# KiCad board protoboard-6x4-breakout.kicad_pcb (continued)
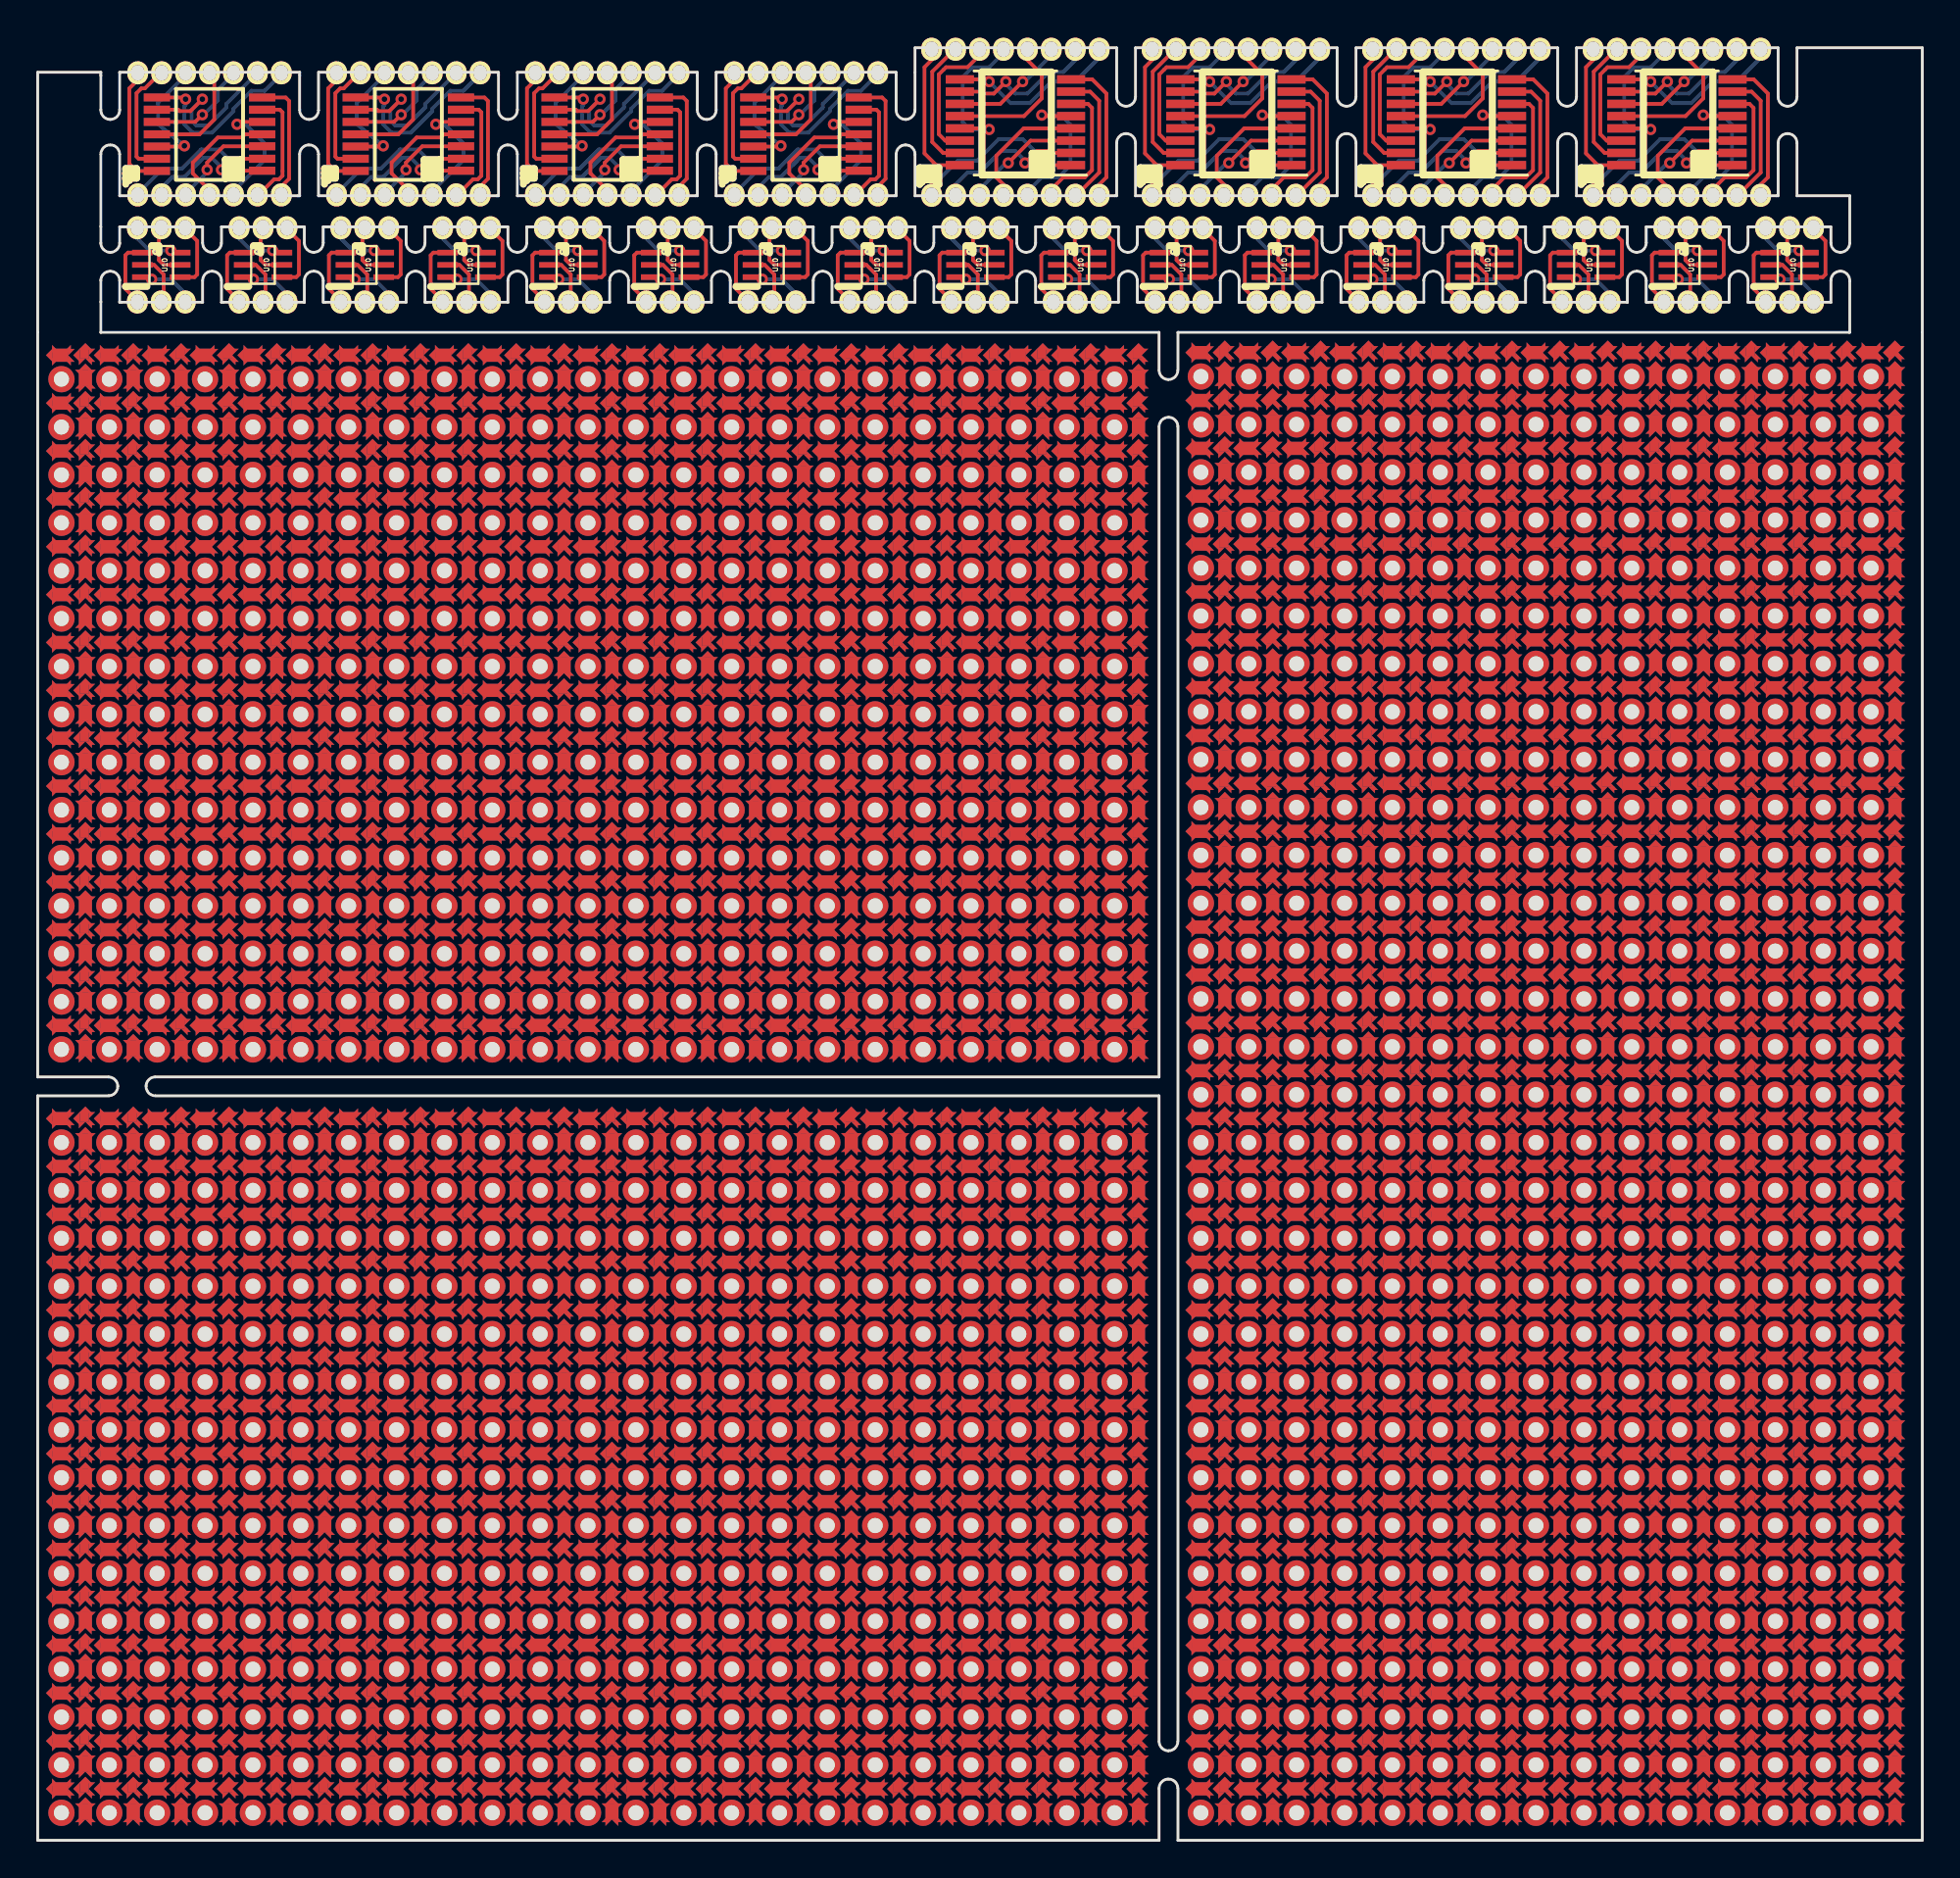
[diagram p0: board, top side]
## Placement (name value [footprint] x y rotation side) (continued)
REF**#4154  center-pad  [center-pad-spikes]  93.47 53.53 0 top
REF**#4155  pad-between  [pad-between-spiked]  93.47 52.26 0 top
REF**#4156  pad-between  [pad-between-spiked]  93.47 54.8 0 top
REF**#4157  pad-between  [pad-between-spiked]  94.74 53.53 90 top
REF**#4158  pad-between  [pad-between-spiked]  92.2 53.53 90 top
REF**#4159  -  [tht-0.8]  97.28 54.8 0 top
REF**#4160  -  [tht-0.8]  94.74 54.8 0 top
REF**#4161  -  [tht-0.8]  92.2 54.8 0 top
REF**#4162  -  [tht-0.8]  92.2 52.26 0 top
REF**#4163  -  [tht-0.8]  94.74 52.26 0 top
REF**#4164  -  [tht-0.8]  97.28 52.26 0 top
REF**#4165  -  [tht-0.8]  66.8 52.26 0 top
REF**#4166  -  [tht-0.8]  64.26 52.26 0 top
REF**#4167  -  [tht-0.8]  61.72 52.26 0 top
REF**#4168  -  [tht-0.8]  61.72 54.8 0 top
REF**#4169  -  [tht-0.8]  64.26 54.8 0 top
REF**#4170  -  [tht-0.8]  66.8 54.8 0 top
REF**#4171  pad-between  [pad-between-spiked]  61.72 53.53 90 top
REF**#4172  pad-between  [pad-between-spiked]  64.26 53.53 90 top
REF**#4173  pad-between  [pad-between-spiked]  62.99 54.8 0 top
REF**#4174  pad-between  [pad-between-spiked]  62.99 52.26 0 top
REF**#4175  center-pad  [center-pad-spikes]  62.99 53.53 0 top
REF**#4176  center-pad  [center-pad-spikes]  65.53 53.53 0 top
REF**#4177  pad-between  [pad-between-spiked]  65.53 52.26 0 top
REF**#4178  pad-between  [pad-between-spiked]  65.53 54.8 0 top
REF**#4179  pad-between  [pad-between-spiked]  66.8 53.53 90 top
REF**#4180  pad-between  [pad-between-spiked]  68.07 54.8 0 top
REF**#4181  pad-between  [pad-between-spiked]  68.07 52.26 0 top
REF**#4182  center-pad  [center-pad-spikes]  68.07 53.53 0 top
REF**#4183  center-pad  [center-pad-spikes]  68.07 56.07 0 top
REF**#4184  pad-between  [pad-between-spiked]  66.8 56.07 90 top
REF**#4185  center-pad  [center-pad-spikes]  65.53 56.07 0 top
REF**#4186  center-pad  [center-pad-spikes]  62.99 56.07 0 top
REF**#4187  pad-between  [pad-between-spiked]  64.26 56.07 90 top
REF**#4188  pad-between  [pad-between-spiked]  61.72 56.07 90 top
REF**#4189  pad-between  [pad-between-spiked]  69.34 56.07 90 top
REF**#4190  pad-between  [pad-between-spiked]  71.88 56.07 90 top
REF**#4191  center-pad  [center-pad-spikes]  70.61 56.07 0 top
REF**#4192  center-pad  [center-pad-spikes]  73.15 56.07 0 top
REF**#4193  pad-between  [pad-between-spiked]  74.42 56.07 90 top
REF**#4194  center-pad  [center-pad-spikes]  75.69 56.07 0 top
REF**#4195  center-pad  [center-pad-spikes]  75.69 53.53 0 top
REF**#4196  pad-between  [pad-between-spiked]  75.69 52.26 0 top
REF**#4197  pad-between  [pad-between-spiked]  75.69 54.8 0 top
REF**#4198  pad-between  [pad-between-spiked]  74.42 53.53 90 top
REF**#4199  pad-between  [pad-between-spiked]  73.15 54.8 0 top
REF**#4200  pad-between  [pad-between-spiked]  73.15 52.26 0 top
REF**#4201  center-pad  [center-pad-spikes]  73.15 53.53 0 top
REF**#4202  center-pad  [center-pad-spikes]  70.61 53.53 0 top
REF**#4203  pad-between  [pad-between-spiked]  70.61 52.26 0 top
REF**#4204  pad-between  [pad-between-spiked]  70.61 54.8 0 top
REF**#4205  pad-between  [pad-between-spiked]  71.88 53.53 90 top
REF**#4206  pad-between  [pad-between-spiked]  69.34 53.53 90 top
REF**#4207  -  [tht-0.8]  74.42 54.8 0 top
REF**#4208  -  [tht-0.8]  71.88 54.8 0 top
REF**#4209  -  [tht-0.8]  69.34 54.8 0 top
REF**#4210  -  [tht-0.8]  69.34 52.26 0 top
REF**#4211  -  [tht-0.8]  71.88 52.26 0 top
REF**#4212  -  [tht-0.8]  74.42 52.26 0 top
REF**#4213  -  [tht-0.8]  82.04 52.26 0 top
REF**#4214  -  [tht-0.8]  79.5 52.26 0 top
REF**#4215  -  [tht-0.8]  76.96 52.26 0 top
REF**#4216  -  [tht-0.8]  76.96 54.8 0 top
REF**#4217  -  [tht-0.8]  79.5 54.8 0 top
REF**#4218  -  [tht-0.8]  82.04 54.8 0 top
REF**#4219  pad-between  [pad-between-spiked]  76.96 53.53 90 top
REF**#4220  pad-between  [pad-between-spiked]  79.5 53.53 90 top
REF**#4221  pad-between  [pad-between-spiked]  78.23 54.8 0 top
REF**#4222  pad-between  [pad-between-spiked]  78.23 52.26 0 top
REF**#4223  center-pad  [center-pad-spikes]  78.23 53.53 0 top
REF**#4224  center-pad  [center-pad-spikes]  80.77 53.53 0 top
REF**#4225  pad-between  [pad-between-spiked]  80.77 52.26 0 top
REF**#4226  pad-between  [pad-between-spiked]  80.77 54.8 0 top
REF**#4227  pad-between  [pad-between-spiked]  82.04 53.53 90 top
REF**#4228  pad-between  [pad-between-spiked]  83.31 54.8 0 top
REF**#4229  pad-between  [pad-between-spiked]  83.31 52.26 0 top
REF**#4230  center-pad  [center-pad-spikes]  83.31 53.53 0 top
REF**#4231  center-pad  [center-pad-spikes]  83.31 56.07 0 top
REF**#4232  pad-between  [pad-between-spiked]  82.04 56.07 90 top
REF**#4233  center-pad  [center-pad-spikes]  80.77 56.07 0 top
REF**#4234  center-pad  [center-pad-spikes]  78.23 56.07 0 top
REF**#4235  pad-between  [pad-between-spiked]  79.5 56.07 90 top
REF**#4236  pad-between  [pad-between-spiked]  76.96 56.07 90 top
REF**#4237  pad-between  [pad-between-spiked]  84.58 56.07 90 top
REF**#4238  pad-between  [pad-between-spiked]  87.12 56.07 90 top
REF**#4239  center-pad  [center-pad-spikes]  85.85 56.07 0 top
REF**#4240  center-pad  [center-pad-spikes]  88.39 56.07 0 top
REF**#4241  pad-between  [pad-between-spiked]  89.66 56.07 90 top
REF**#4242  center-pad  [center-pad-spikes]  90.93 56.07 0 top
REF**#4243  center-pad  [center-pad-spikes]  90.93 53.53 0 top
REF**#4244  pad-between  [pad-between-spiked]  90.93 52.26 0 top
REF**#4245  pad-between  [pad-between-spiked]  90.93 54.8 0 top
REF**#4246  pad-between  [pad-between-spiked]  89.66 53.53 90 top
REF**#4247  pad-between  [pad-between-spiked]  88.39 54.8 0 top
REF**#4248  pad-between  [pad-between-spiked]  88.39 52.26 0 top
REF**#4249  center-pad  [center-pad-spikes]  88.39 53.53 0 top
REF**#4250  center-pad  [center-pad-spikes]  85.85 53.53 0 top
REF**#4251  pad-between  [pad-between-spiked]  85.85 52.26 0 top
REF**#4252  pad-between  [pad-between-spiked]  85.85 54.8 0 top
REF**#4253  pad-between  [pad-between-spiked]  87.12 53.53 90 top
REF**#4254  pad-between  [pad-between-spiked]  84.58 53.53 90 top
REF**#4255  -  [tht-0.8]  89.66 54.8 0 top
REF**#4256  -  [tht-0.8]  87.12 54.8 0 top
REF**#4257  -  [tht-0.8]  84.58 54.8 0 top
REF**#4258  -  [tht-0.8]  84.58 52.26 0 top
REF**#4259  -  [tht-0.8]  87.12 52.26 0 top
REF**#4260  -  [tht-0.8]  89.66 52.26 0 top
REF**#4261  -  [tht-0.8]  89.66 57.34 0 top
REF**#4262  -  [tht-0.8]  87.12 57.34 0 top
REF**#4263  -  [tht-0.8]  84.58 57.34 0 top
REF**#4264  -  [tht-0.8]  84.58 59.88 0 top
REF**#4265  -  [tht-0.8]  87.12 59.88 0 top
REF**#4266  -  [tht-0.8]  89.66 59.88 0 top
REF**#4267  pad-between  [pad-between-spiked]  84.58 58.61 90 top
REF**#4268  pad-between  [pad-between-spiked]  87.12 58.61 90 top
REF**#4269  pad-between  [pad-between-spiked]  85.85 59.88 0 top
REF**#4270  pad-between  [pad-between-spiked]  85.85 57.34 0 top
REF**#4271  center-pad  [center-pad-spikes]  85.85 58.61 0 top
REF**#4272  center-pad  [center-pad-spikes]  88.39 58.61 0 top
REF**#4273  pad-between  [pad-between-spiked]  88.39 57.34 0 top
REF**#4274  pad-between  [pad-between-spiked]  88.39 59.88 0 top
REF**#4275  pad-between  [pad-between-spiked]  89.66 58.61 90 top
REF**#4276  pad-between  [pad-between-spiked]  90.93 59.88 0 top
REF**#4277  pad-between  [pad-between-spiked]  90.93 57.34 0 top
REF**#4278  center-pad  [center-pad-spikes]  90.93 58.61 0 top
REF**#4279  center-pad  [center-pad-spikes]  90.93 61.15 0 top
REF**#4280  pad-between  [pad-between-spiked]  89.66 61.15 90 top
REF**#4281  center-pad  [center-pad-spikes]  88.39 61.15 0 top
REF**#4282  center-pad  [center-pad-spikes]  85.85 61.15 0 top
REF**#4283  pad-between  [pad-between-spiked]  87.12 61.15 90 top
REF**#4284  pad-between  [pad-between-spiked]  84.58 61.15 90 top
REF**#4285  pad-between  [pad-between-spiked]  76.96 61.15 90 top
REF**#4286  pad-between  [pad-between-spiked]  79.5 61.15 90 top
REF**#4287  center-pad  [center-pad-spikes]  78.23 61.15 0 top
REF**#4288  center-pad  [center-pad-spikes]  80.77 61.15 0 top
REF**#4289  pad-between  [pad-between-spiked]  82.04 61.15 90 top
REF**#4290  center-pad  [center-pad-spikes]  83.31 61.15 0 top
REF**#4291  center-pad  [center-pad-spikes]  83.31 58.61 0 top
REF**#4292  pad-between  [pad-between-spiked]  83.31 57.34 0 top
REF**#4293  pad-between  [pad-between-spiked]  83.31 59.88 0 top
REF**#4294  pad-between  [pad-between-spiked]  82.04 58.61 90 top
REF**#4295  pad-between  [pad-between-spiked]  80.77 59.88 0 top
REF**#4296  pad-between  [pad-between-spiked]  80.77 57.34 0 top
REF**#4297  center-pad  [center-pad-spikes]  80.77 58.61 0 top
REF**#4298  center-pad  [center-pad-spikes]  78.23 58.61 0 top
REF**#4299  pad-between  [pad-between-spiked]  78.23 57.34 0 top
REF**#4300  pad-between  [pad-between-spiked]  78.23 59.88 0 top
REF**#4301  pad-between  [pad-between-spiked]  79.5 58.61 90 top
REF**#4302  pad-between  [pad-between-spiked]  76.96 58.61 90 top
REF**#4303  -  [tht-0.8]  82.04 59.88 0 top
REF**#4304  -  [tht-0.8]  79.5 59.88 0 top
REF**#4305  -  [tht-0.8]  76.96 59.88 0 top
REF**#4306  -  [tht-0.8]  76.96 57.34 0 top
REF**#4307  -  [tht-0.8]  79.5 57.34 0 top
REF**#4308  -  [tht-0.8]  82.04 57.34 0 top
REF**#4309  -  [tht-0.8]  74.42 57.34 0 top
REF**#4310  -  [tht-0.8]  71.88 57.34 0 top
REF**#4311  -  [tht-0.8]  69.34 57.34 0 top
REF**#4312  -  [tht-0.8]  69.34 59.88 0 top
REF**#4313  -  [tht-0.8]  71.88 59.88 0 top
REF**#4314  -  [tht-0.8]  74.42 59.88 0 top
REF**#4315  pad-between  [pad-between-spiked]  69.34 58.61 90 top
REF**#4316  pad-between  [pad-between-spiked]  71.88 58.61 90 top
REF**#4317  pad-between  [pad-between-spiked]  70.61 59.88 0 top
REF**#4318  pad-between  [pad-between-spiked]  70.61 57.34 0 top
REF**#4319  center-pad  [center-pad-spikes]  70.61 58.61 0 top
REF**#4320  center-pad  [center-pad-spikes]  73.15 58.61 0 top
REF**#4321  pad-between  [pad-between-spiked]  73.15 57.34 0 top
REF**#4322  pad-between  [pad-between-spiked]  73.15 59.88 0 top
REF**#4323  pad-between  [pad-between-spiked]  74.42 58.61 90 top
REF**#4324  pad-between  [pad-between-spiked]  75.69 59.88 0 top
REF**#4325  pad-between  [pad-between-spiked]  75.69 57.34 0 top
REF**#4326  center-pad  [center-pad-spikes]  75.69 58.61 0 top
REF**#4327  center-pad  [center-pad-spikes]  75.69 61.15 0 top
REF**#4328  pad-between  [pad-between-spiked]  74.42 61.15 90 top
REF**#4329  center-pad  [center-pad-spikes]  73.15 61.15 0 top
REF**#4330  center-pad  [center-pad-spikes]  70.61 61.15 0 top
REF**#4331  pad-between  [pad-between-spiked]  71.88 61.15 90 top
REF**#4332  pad-between  [pad-between-spiked]  69.34 61.15 90 top
REF**#4333  pad-between  [pad-between-spiked]  61.72 61.15 90 top
REF**#4334  pad-between  [pad-between-spiked]  64.26 61.15 90 top
REF**#4335  center-pad  [center-pad-spikes]  62.99 61.15 0 top
REF**#4336  center-pad  [center-pad-spikes]  65.53 61.15 0 top
REF**#4337  pad-between  [pad-between-spiked]  66.8 61.15 90 top
REF**#4338  center-pad  [center-pad-spikes]  68.07 61.15 0 top
REF**#4339  center-pad  [center-pad-spikes]  68.07 58.61 0 top
REF**#4340  pad-between  [pad-between-spiked]  68.07 57.34 0 top
REF**#4341  pad-between  [pad-between-spiked]  68.07 59.88 0 top
REF**#4342  pad-between  [pad-between-spiked]  66.8 58.61 90 top
REF**#4343  pad-between  [pad-between-spiked]  65.53 59.88 0 top
REF**#4344  pad-between  [pad-between-spiked]  65.53 57.34 0 top
REF**#4345  center-pad  [center-pad-spikes]  65.53 58.61 0 top
REF**#4346  center-pad  [center-pad-spikes]  62.99 58.61 0 top
REF**#4347  pad-between  [pad-between-spiked]  62.99 57.34 0 top
REF**#4348  pad-between  [pad-between-spiked]  62.99 59.88 0 top
REF**#4349  pad-between  [pad-between-spiked]  64.26 58.61 90 top
REF**#4350  pad-between  [pad-between-spiked]  61.72 58.61 90 top
REF**#4351  -  [tht-0.8]  66.8 59.88 0 top
REF**#4352  -  [tht-0.8]  64.26 59.88 0 top
REF**#4353  -  [tht-0.8]  61.72 59.88 0 top
REF**#4354  -  [tht-0.8]  61.72 57.34 0 top
REF**#4355  -  [tht-0.8]  64.26 57.34 0 top
REF**#4356  -  [tht-0.8]  66.8 57.34 0 top
REF**#4357  -  [tht-0.8]  97.28 57.34 0 top
REF**#4358  -  [tht-0.8]  94.74 57.34 0 top
REF**#4359  -  [tht-0.8]  92.2 57.34 0 top
REF**#4360  -  [tht-0.8]  92.2 59.88 0 top
REF**#4361  -  [tht-0.8]  94.74 59.88 0 top
REF**#4362  -  [tht-0.8]  97.28 59.88 0 top
REF**#4363  pad-between  [pad-between-spiked]  92.2 58.61 90 top
REF**#4364  pad-between  [pad-between-spiked]  94.74 58.61 90 top
REF**#4365  pad-between  [pad-between-spiked]  93.47 59.88 0 top
REF**#4366  pad-between  [pad-between-spiked]  93.47 57.34 0 top
REF**#4367  center-pad  [center-pad-spikes]  93.47 58.61 0 top
REF**#4368  center-pad  [center-pad-spikes]  96.01 58.61 0 top
REF**#4369  pad-between  [pad-between-spiked]  96.01 57.34 0 top
REF**#4370  pad-between  [pad-between-spiked]  96.01 59.88 0 top
REF**#4371  pad-between  [pad-between-spiked]  97.28 58.61 90 top
REF**#4372  pad-between  [pad-between-spiked]  98.55 59.88 0 top
REF**#4373  pad-between  [pad-between-spiked]  98.55 57.34 0 top
REF**#4374  center-pad  [center-pad-spikes]  98.55 58.61 0 top
REF**#4375  center-pad  [center-pad-spikes]  98.55 61.15 0 top
REF**#4376  pad-between  [pad-between-spiked]  97.28 61.15 90 top
REF**#4377  center-pad  [center-pad-spikes]  96.01 61.15 0 top
REF**#4378  center-pad  [center-pad-spikes]  93.47 61.15 0 top
REF**#4379  pad-between  [pad-between-spiked]  94.74 61.15 90 top
REF**#4380  pad-between  [pad-between-spiked]  92.2 61.15 90 top
REF**#4381  pad-between  [pad-between-spiked]  92.2 50.99 90 top
REF**#4382  pad-between  [pad-between-spiked]  94.74 50.99 90 top
REF**#4383  center-pad  [center-pad-spikes]  93.47 50.99 0 top
REF**#4384  center-pad  [center-pad-spikes]  96.01 50.99 0 top
REF**#4385  pad-between  [pad-between-spiked]  97.28 50.99 90 top
REF**#4386  center-pad  [center-pad-spikes]  98.55 50.99 0 top
REF**#4387  center-pad  [center-pad-spikes]  98.55 48.45 0 top
REF**#4388  pad-between  [pad-between-spiked]  98.55 47.18 0 top
REF**#4389  pad-between  [pad-between-spiked]  98.55 49.72 0 top
REF**#4390  pad-between  [pad-between-spiked]  97.28 48.45 90 top
REF**#4391  pad-between  [pad-between-spiked]  96.01 49.72 0 top
REF**#4392  pad-between  [pad-between-spiked]  96.01 47.18 0 top
REF**#4393  center-pad  [center-pad-spikes]  96.01 48.45 0 top
REF**#4394  center-pad  [center-pad-spikes]  93.47 48.45 0 top
REF**#4395  pad-between  [pad-between-spiked]  93.47 47.18 0 top
REF**#4396  pad-between  [pad-between-spiked]  93.47 49.72 0 top
REF**#4397  pad-between  [pad-between-spiked]  94.74 48.45 90 top
REF**#4398  pad-between  [pad-between-spiked]  92.2 48.45 90 top
REF**#4399  -  [tht-0.8]  97.28 49.72 0 top
REF**#4400  -  [tht-0.8]  94.74 49.72 0 top
REF**#4401  -  [tht-0.8]  92.2 49.72 0 top
REF**#4402  -  [tht-0.8]  92.2 47.18 0 top
REF**#4403  -  [tht-0.8]  94.74 47.18 0 top
REF**#4404  -  [tht-0.8]  97.28 47.18 0 top
REF**#4405  -  [tht-0.8]  66.8 47.18 0 top
REF**#4406  -  [tht-0.8]  64.26 47.18 0 top
REF**#4407  -  [tht-0.8]  61.72 47.18 0 top
REF**#4408  -  [tht-0.8]  61.72 49.72 0 top
REF**#4409  -  [tht-0.8]  64.26 49.72 0 top
REF**#4410  -  [tht-0.8]  66.8 49.72 0 top
REF**#4411  pad-between  [pad-between-spiked]  61.72 48.45 90 top
REF**#4412  pad-between  [pad-between-spiked]  64.26 48.45 90 top
REF**#4413  pad-between  [pad-between-spiked]  62.99 49.72 0 top
REF**#4414  pad-between  [pad-between-spiked]  62.99 47.18 0 top
REF**#4415  center-pad  [center-pad-spikes]  62.99 48.45 0 top
REF**#4416  center-pad  [center-pad-spikes]  65.53 48.45 0 top
REF**#4417  pad-between  [pad-between-spiked]  65.53 47.18 0 top
REF**#4418  pad-between  [pad-between-spiked]  65.53 49.72 0 top
REF**#4419  pad-between  [pad-between-spiked]  66.8 48.45 90 top
REF**#4420  pad-between  [pad-between-spiked]  68.07 49.72 0 top
REF**#4421  pad-between  [pad-between-spiked]  68.07 47.18 0 top
REF**#4422  center-pad  [center-pad-spikes]  68.07 48.45 0 top
REF**#4423  center-pad  [center-pad-spikes]  68.07 50.99 0 top
REF**#4424  pad-between  [pad-between-spiked]  66.8 50.99 90 top
REF**#4425  center-pad  [center-pad-spikes]  65.53 50.99 0 top
REF**#4426  center-pad  [center-pad-spikes]  62.99 50.99 0 top
REF**#4427  pad-between  [pad-between-spiked]  64.26 50.99 90 top
REF**#4428  pad-between  [pad-between-spiked]  61.72 50.99 90 top
REF**#4429  pad-between  [pad-between-spiked]  69.34 50.99 90 top
REF**#4430  pad-between  [pad-between-spiked]  71.88 50.99 90 top
REF**#4431  center-pad  [center-pad-spikes]  70.61 50.99 0 top
REF**#4432  center-pad  [center-pad-spikes]  73.15 50.99 0 top
REF**#4433  pad-between  [pad-between-spiked]  74.42 50.99 90 top
REF**#4434  center-pad  [center-pad-spikes]  75.69 50.99 0 top
REF**#4435  center-pad  [center-pad-spikes]  75.69 48.45 0 top
REF**#4436  pad-between  [pad-between-spiked]  75.69 47.18 0 top
REF**#4437  pad-between  [pad-between-spiked]  75.69 49.72 0 top
REF**#4438  pad-between  [pad-between-spiked]  74.42 48.45 90 top
REF**#4439  pad-between  [pad-between-spiked]  73.15 49.72 0 top
REF**#4440  pad-between  [pad-between-spiked]  73.15 47.18 0 top
REF**#4441  center-pad  [center-pad-spikes]  73.15 48.45 0 top
REF**#4442  center-pad  [center-pad-spikes]  70.61 48.45 0 top
REF**#4443  pad-between  [pad-between-spiked]  70.61 47.18 0 top
REF**#4444  pad-between  [pad-between-spiked]  70.61 49.72 0 top
REF**#4445  pad-between  [pad-between-spiked]  71.88 48.45 90 top
REF**#4446  pad-between  [pad-between-spiked]  69.34 48.45 90 top
REF**#4447  -  [tht-0.8]  74.42 49.72 0 top
REF**#4448  -  [tht-0.8]  71.88 49.72 0 top
REF**#4449  -  [tht-0.8]  69.34 49.72 0 top
REF**#4450  -  [tht-0.8]  69.34 47.18 0 top
REF**#4451  -  [tht-0.8]  71.88 47.18 0 top
REF**#4452  -  [tht-0.8]  74.42 47.18 0 top
REF**#4453  -  [tht-0.8]  82.04 47.18 0 top
REF**#4454  -  [tht-0.8]  79.5 47.18 0 top
REF**#4455  -  [tht-0.8]  76.96 47.18 0 top
REF**#4456  -  [tht-0.8]  76.96 49.72 0 top
REF**#4457  -  [tht-0.8]  79.5 49.72 0 top
REF**#4458  -  [tht-0.8]  82.04 49.72 0 top
REF**#4459  pad-between  [pad-between-spiked]  76.96 48.45 90 top
REF**#4460  pad-between  [pad-between-spiked]  79.5 48.45 90 top
REF**#4461  pad-between  [pad-between-spiked]  78.23 49.72 0 top
REF**#4462  pad-between  [pad-between-spiked]  78.23 47.18 0 top
REF**#4463  center-pad  [center-pad-spikes]  78.23 48.45 0 top
REF**#4464  center-pad  [center-pad-spikes]  80.77 48.45 0 top
REF**#4465  pad-between  [pad-between-spiked]  80.77 47.18 0 top
REF**#4466  pad-between  [pad-between-spiked]  80.77 49.72 0 top
REF**#4467  pad-between  [pad-between-spiked]  82.04 48.45 90 top
REF**#4468  pad-between  [pad-between-spiked]  83.31 49.72 0 top
REF**#4469  pad-between  [pad-between-spiked]  83.31 47.18 0 top
REF**#4470  center-pad  [center-pad-spikes]  83.31 48.45 0 top
REF**#4471  center-pad  [center-pad-spikes]  83.31 50.99 0 top
REF**#4472  pad-between  [pad-between-spiked]  82.04 50.99 90 top
REF**#4473  center-pad  [center-pad-spikes]  80.77 50.99 0 top
REF**#4474  center-pad  [center-pad-spikes]  78.23 50.99 0 top
REF**#4475  pad-between  [pad-between-spiked]  79.5 50.99 90 top
REF**#4476  pad-between  [pad-between-spiked]  76.96 50.99 90 top
REF**#4477  pad-between  [pad-between-spiked]  84.58 50.99 90 top
REF**#4478  pad-between  [pad-between-spiked]  87.12 50.99 90 top
REF**#4479  center-pad  [center-pad-spikes]  85.85 50.99 0 top
REF**#4480  center-pad  [center-pad-spikes]  88.39 50.99 0 top
REF**#4481  pad-between  [pad-between-spiked]  89.66 50.99 90 top
REF**#4482  center-pad  [center-pad-spikes]  90.93 50.99 0 top
REF**#4483  center-pad  [center-pad-spikes]  90.93 48.45 0 top
REF**#4484  pad-between  [pad-between-spiked]  90.93 47.18 0 top
REF**#4485  pad-between  [pad-between-spiked]  90.93 49.72 0 top
REF**#4486  pad-between  [pad-between-spiked]  89.66 48.45 90 top
REF**#4487  pad-between  [pad-between-spiked]  88.39 49.72 0 top
REF**#4488  pad-between  [pad-between-spiked]  88.39 47.18 0 top
REF**#4489  center-pad  [center-pad-spikes]  88.39 48.45 0 top
REF**#4490  center-pad  [center-pad-spikes]  85.85 48.45 0 top
REF**#4491  pad-between  [pad-between-spiked]  85.85 47.18 0 top
REF**#4492  pad-between  [pad-between-spiked]  85.85 49.72 0 top
REF**#4493  pad-between  [pad-between-spiked]  87.12 48.45 90 top
REF**#4494  pad-between  [pad-between-spiked]  84.58 48.45 90 top
REF**#4495  -  [tht-0.8]  89.66 49.72 0 top
REF**#4496  -  [tht-0.8]  87.12 49.72 0 top
REF**#4497  -  [tht-0.8]  84.58 49.72 0 top
REF**#4498  -  [tht-0.8]  84.58 47.18 0 top
REF**#4499  -  [tht-0.8]  87.12 47.18 0 top
REF**#4500  -  [tht-0.8]  89.66 47.18 0 top
REF**#4501  -  [tht-0.8]  89.66 42.1 0 top
REF**#4502  -  [tht-0.8]  87.12 42.1 0 top
REF**#4503  -  [tht-0.8]  84.58 42.1 0 top
REF**#4504  -  [tht-0.8]  84.58 44.64 0 top
REF**#4505  -  [tht-0.8]  87.12 44.64 0 top
REF**#4506  -  [tht-0.8]  89.66 44.64 0 top
REF**#4507  pad-between  [pad-between-spiked]  84.58 43.37 90 top
REF**#4508  pad-between  [pad-between-spiked]  87.12 43.37 90 top
REF**#4509  pad-between  [pad-between-spiked]  85.85 44.64 0 top
REF**#4510  pad-between  [pad-between-spiked]  85.85 42.1 0 top
REF**#4511  center-pad  [center-pad-spikes]  85.85 43.37 0 top
REF**#4512  center-pad  [center-pad-spikes]  88.39 43.37 0 top
REF**#4513  pad-between  [pad-between-spiked]  88.39 42.1 0 top
REF**#4514  pad-between  [pad-between-spiked]  88.39 44.64 0 top
REF**#4515  pad-between  [pad-between-spiked]  89.66 43.37 90 top
REF**#4516  pad-between  [pad-between-spiked]  90.93 44.64 0 top
REF**#4517  pad-between  [pad-between-spiked]  90.93 42.1 0 top
REF**#4518  center-pad  [center-pad-spikes]  90.93 43.37 0 top
REF**#4519  center-pad  [center-pad-spikes]  90.93 45.91 0 top
REF**#4520  pad-between  [pad-between-spiked]  89.66 45.91 90 top
REF**#4521  center-pad  [center-pad-spikes]  88.39 45.91 0 top
REF**#4522  center-pad  [center-pad-spikes]  85.85 45.91 0 top
REF**#4523  pad-between  [pad-between-spiked]  87.12 45.91 90 top
REF**#4524  pad-between  [pad-between-spiked]  84.58 45.91 90 top
REF**#4525  pad-between  [pad-between-spiked]  76.96 45.91 90 top
REF**#4526  pad-between  [pad-between-spiked]  79.5 45.91 90 top
REF**#4527  center-pad  [center-pad-spikes]  78.23 45.91 0 top
REF**#4528  center-pad  [center-pad-spikes]  80.77 45.91 0 top
REF**#4529  pad-between  [pad-between-spiked]  82.04 45.91 90 top
REF**#4530  center-pad  [center-pad-spikes]  83.31 45.91 0 top
REF**#4531  center-pad  [center-pad-spikes]  83.31 43.37 0 top
REF**#4532  pad-between  [pad-between-spiked]  83.31 42.1 0 top
REF**#4533  pad-between  [pad-between-spiked]  83.31 44.64 0 top
REF**#4534  pad-between  [pad-between-spiked]  82.04 43.37 90 top
REF**#4535  pad-between  [pad-between-spiked]  80.77 44.64 0 top
REF**#4536  pad-between  [pad-between-spiked]  80.77 42.1 0 top
REF**#4537  center-pad  [center-pad-spikes]  80.77 43.37 0 top
REF**#4538  center-pad  [center-pad-spikes]  78.23 43.37 0 top
REF**#4539  pad-between  [pad-between-spiked]  78.23 42.1 0 top
REF**#4540  pad-between  [pad-between-spiked]  78.23 44.64 0 top
REF**#4541  pad-between  [pad-between-spiked]  79.5 43.37 90 top
REF**#4542  pad-between  [pad-between-spiked]  76.96 43.37 90 top
REF**#4543  -  [tht-0.8]  82.04 44.64 0 top
REF**#4544  -  [tht-0.8]  79.5 44.64 0 top
REF**#4545  -  [tht-0.8]  76.96 44.64 0 top
REF**#4546  -  [tht-0.8]  76.96 42.1 0 top
REF**#4547  -  [tht-0.8]  79.5 42.1 0 top
REF**#4548  -  [tht-0.8]  82.04 42.1 0 top
REF**#4549  -  [tht-0.8]  74.42 42.1 0 top
REF**#4550  -  [tht-0.8]  71.88 42.1 0 top
REF**#4551  -  [tht-0.8]  69.34 42.1 0 top
REF**#4552  -  [tht-0.8]  69.34 44.64 0 top
REF**#4553  -  [tht-0.8]  71.88 44.64 0 top
REF**#4554  -  [tht-0.8]  74.42 44.64 0 top
REF**#4555  pad-between  [pad-between-spiked]  69.34 43.37 90 top
REF**#4556  pad-between  [pad-between-spiked]  71.88 43.37 90 top
REF**#4557  pad-between  [pad-between-spiked]  70.61 44.64 0 top
REF**#4558  pad-between  [pad-between-spiked]  70.61 42.1 0 top
REF**#4559  center-pad  [center-pad-spikes]  70.61 43.37 0 top
REF**#4560  center-pad  [center-pad-spikes]  73.15 43.37 0 top
REF**#4561  pad-between  [pad-between-spiked]  73.15 42.1 0 top
REF**#4562  pad-between  [pad-between-spiked]  73.15 44.64 0 top
REF**#4563  pad-between  [pad-between-spiked]  74.42 43.37 90 top
REF**#4564  pad-between  [pad-between-spiked]  75.69 44.64 0 top
REF**#4565  pad-between  [pad-between-spiked]  75.69 42.1 0 top
REF**#4566  center-pad  [center-pad-spikes]  75.69 43.37 0 top
REF**#4567  center-pad  [center-pad-spikes]  75.69 45.91 0 top
REF**#4568  pad-between  [pad-between-spiked]  74.42 45.91 90 top
REF**#4569  center-pad  [center-pad-spikes]  73.15 45.91 0 top
REF**#4570  center-pad  [center-pad-spikes]  70.61 45.91 0 top
REF**#4571  pad-between  [pad-between-spiked]  71.88 45.91 90 top
REF**#4572  pad-between  [pad-between-spiked]  69.34 45.91 90 top
REF**#4573  pad-between  [pad-between-spiked]  61.72 45.91 90 top
REF**#4574  pad-between  [pad-between-spiked]  64.26 45.91 90 top
REF**#4575  center-pad  [center-pad-spikes]  62.99 45.91 0 top
REF**#4576  center-pad  [center-pad-spikes]  65.53 45.91 0 top
REF**#4577  pad-between  [pad-between-spiked]  66.8 45.91 90 top
REF**#4578  center-pad  [center-pad-spikes]  68.07 45.91 0 top
REF**#4579  center-pad  [center-pad-spikes]  68.07 43.37 0 top
REF**#4580  pad-between  [pad-between-spiked]  68.07 42.1 0 top
REF**#4581  pad-between  [pad-between-spiked]  68.07 44.64 0 top
REF**#4582  pad-between  [pad-between-spiked]  66.8 43.37 90 top
REF**#4583  pad-between  [pad-between-spiked]  65.53 44.64 0 top
REF**#4584  pad-between  [pad-between-spiked]  65.53 42.1 0 top
REF**#4585  center-pad  [center-pad-spikes]  65.53 43.37 0 top
REF**#4586  center-pad  [center-pad-spikes]  62.99 43.37 0 top
REF**#4587  pad-between  [pad-between-spiked]  62.99 42.1 0 top
REF**#4588  pad-between  [pad-between-spiked]  62.99 44.64 0 top
REF**#4589  pad-between  [pad-between-spiked]  64.26 43.37 90 top
REF**#4590  pad-between  [pad-between-spiked]  61.72 43.37 90 top
REF**#4591  -  [tht-0.8]  66.8 44.64 0 top
REF**#4592  -  [tht-0.8]  64.26 44.64 0 top
REF**#4593  -  [tht-0.8]  61.72 44.64 0 top
REF**#4594  -  [tht-0.8]  61.72 42.1 0 top
REF**#4595  -  [tht-0.8]  64.26 42.1 0 top
REF**#4596  -  [tht-0.8]  66.8 42.1 0 top
REF**#4597  -  [tht-0.8]  97.28 42.1 0 top
REF**#4598  -  [tht-0.8]  94.74 42.1 0 top
REF**#4599  -  [tht-0.8]  92.2 42.1 0 top
REF**#4600  -  [tht-0.8]  92.2 44.64 0 top
REF**#4601  -  [tht-0.8]  94.74 44.64 0 top
REF**#4602  -  [tht-0.8]  97.28 44.64 0 top
REF**#4603  pad-between  [pad-between-spiked]  92.2 43.37 90 top
REF**#4604  pad-between  [pad-between-spiked]  94.74 43.37 90 top
REF**#4605  pad-between  [pad-between-spiked]  93.47 44.64 0 top
REF**#4606  pad-between  [pad-between-spiked]  93.47 42.1 0 top
REF**#4607  center-pad  [center-pad-spikes]  93.47 43.37 0 top
REF**#4608  center-pad  [center-pad-spikes]  96.01 43.37 0 top
REF**#4609  pad-between  [pad-between-spiked]  96.01 42.1 0 top
REF**#4610  pad-between  [pad-between-spiked]  96.01 44.64 0 top
REF**#4611  pad-between  [pad-between-spiked]  97.28 43.37 90 top
REF**#4612  pad-between  [pad-between-spiked]  98.55 44.64 0 top
REF**#4613  pad-between  [pad-between-spiked]  98.55 42.1 0 top
REF**#4614  center-pad  [center-pad-spikes]  98.55 43.37 0 top
REF**#4615  center-pad  [center-pad-spikes]  98.55 45.91 0 top
REF**#4616  pad-between  [pad-between-spiked]  97.28 45.91 90 top
REF**#4617  center-pad  [center-pad-spikes]  96.01 45.91 0 top
REF**#4618  center-pad  [center-pad-spikes]  93.47 45.91 0 top
REF**#4619  pad-between  [pad-between-spiked]  94.74 45.91 90 top
REF**#4620  pad-between  [pad-between-spiked]  92.2 45.91 90 top
U10  IP4220CZ6  [SOT-363]  6.56 83.58 270 top
U10#2  IP4220CZ6  [SOT-363]  11.96 83.58 270 top
U10#3  IP4220CZ6  [SOT-363]  22.76 83.58 270 top
U10#4  IP4220CZ6  [SOT-363]  17.36 83.58 270 top
U10#5  IP4220CZ6  [SOT-363]  38.96 83.58 270 top
U10#6  IP4220CZ6  [SOT-363]  44.36 83.58 270 top
U10#7  IP4220CZ6  [SOT-363]  33.56 83.58 270 top
U10#8  IP4220CZ6  [SOT-363]  28.16 83.58 270 top
U10#9  IP4220CZ6  [SOT-363]  71.36 83.58 270 top
U10#10  IP4220CZ6  [SOT-363]  76.76 83.58 270 top
U10#11  IP4220CZ6  [SOT-363]  87.56 83.58 270 top
U10#12  IP4220CZ6  [SOT-363]  82.16 83.58 270 top
U10#13  IP4220CZ6  [SOT-363]  60.56 83.58 270 top
U10#14  IP4220CZ6  [SOT-363]  65.96 83.58 270 top
U10#15  IP4220CZ6  [SOT-363]  55.16 83.58 270 top
U10#16  IP4220CZ6  [SOT-363]  49.76 83.58 270 top
U10#17  IP4220CZ6  [SOT-363]  92.96 83.58 270 top
U11  74HC595  [TSSOP-16_4.4x5mm_Pitch0.65mm]  51.88 91.15 180 top
U11#2  74HC595  [TSSOP-16_4.4x5mm_Pitch0.65mm]  63.58 91.15 180 top
U11#3  74HC595  [TSSOP-16_4.4x5mm_Pitch0.65mm]  75.28 91.15 180 top
U11#4  74HC595  [TSSOP-16_4.4x5mm_Pitch0.65mm]  86.98 91.15 180 top

## Footprints (pads in the part's own frame, mm; a bottom-side part is the same pattern mirrored in y, then rotated)
7pin-1.27-pitch
  round 1.1 hole 0.7: 1(-3.81,0) 2(-2.54,0) 3(-1.27,0) 4(0,0) 5(1.27,0) 6(2.54,0) 7(3.81,0)
8pin-1.27-pitch
  round 1.1 hole 0.7: 1(-4.445,0) 2(-3.175,0) 3(-1.905,0) 4(-0.635,0) 5(0.635,0) 6(1.905,0) 7(3.175,0) 8(4.445,0)
center-pad-spikes
  trapezoid 0.35x0.35 smd: 1(-0.47,0) 1(0,0.47)
  trapezoid 0.247x0.247 smd rot 45: 1(-0.26,-0.26) 1(0.26,0.26)
  rect 0.47x0.52 smd: 1(-0.06,0.085)
  trapezoid 0.247x0.247 smd rot 135: 1(0.26,-0.26) 1(0.26,-0.26)
pad-between-spiked
  trapezoid 0.247x0.247 smd rot 45: 1(-0.26,-0.44)
  trapezoid 0.283x0.283 smd rot 135: 1(-0.25,0.4) 1(0.25,-0.4)
  trapezoid 0.283x0.283 smd rot 45: 1(-0.25,-0.4) 1(0.25,0.4)
  trapezoid 0.35x0.35 smd: 1(0,0.65)
  rect 0.7x0.85 smd: 1(0,0.06)
  trapezoid 0.247x0.247 smd rot 135: 1(0.25,-0.44)
SIL-3-1mm
  round 1.1 hole 0.7: 1(-1.27,0) 2(0,0) 3(1.27,0)
SIL-7-1mm
  round 1.1 hole 0.7: 1(-3.81,0) 2(-2.54,0) 3(-1.27,0) 4(0,0) 5(1.27,0) 6(2.54,0) 7(3.81,0)
SOT-363
  rect 0.3x1.1 smd: 1(-0.65,-1) 2(0,-1) 3(0.65,-1) 4(0.65,1) 5(0,1) 6(-0.65,1)
SSOP14
  rect 0.432x1.397 smd: 1(-1.93,-2.794) 2(-1.295,-2.794) 3(-0.635,-2.794) 4(0,-2.794) 5(0.66,-2.794) 6(1.308,-2.794) 7(1.956,-2.794) 8(1.956,2.794) 9(1.308,2.794) 10(0.66,2.794) 11(0,2.794) 12(-0.648,2.794) 13(-1.295,2.794) 14(-1.943,2.794)
tht-0.8
  round 1.4 hole 0.8: 1(0,0)
TSSOP-16_4.4x5mm_Pitch0.65mm
  rect 1.5x0.45 smd: 1(-2.95,2.275) 2(-2.95,1.625) 3(-2.95,0.975) 4(-2.95,0.325) 5(-2.95,-0.325) 6(-2.95,-0.975) 7(-2.95,-1.625) 8(-2.95,-2.275) 9(2.95,-2.275) 10(2.95,-1.625) 11(2.95,-0.975) 12(2.95,-0.325) 13(2.95,0.325) 14(2.95,0.975) 15(2.95,1.625) 16(2.95,2.275)

## Nets
GND: J2.8 J2#2.8 J2#3.8 J2#4.8 J2#5.8 J2#6.8 J2#7.8 J2#8.8 NOREF#5.7 NOREF#7.7 NOREF#9.7 NOREF#55.7 NOREF#57.7 NOREF#62.7 NOREF#73.7 NOREF#75.7 NOREF#77.7 NOREF#78.7 NOREF#80.7 NOREF#82.7 U11.8 U11#2.8 U11#3.8 U11#4.8
VCC: J1.8 J1#2.8 J1#3.8 J1#4.8 J1#5.8 J1#6.8 J1#7.8 J1#8.8 NOREF#5.14 NOREF#6.7 NOREF#8.7 NOREF#56.7 NOREF#59.7 NOREF#62.14 NOREF#73.14 NOREF#74.7 NOREF#76.7 NOREF#79.7 NOREF#81.7 NOREF#82.14 U11.16 U11#2.16 U11#3.16 U11#4.16
N-0000021: NOREF#5.10 NOREF#6.3 NOREF#8.3 NOREF#56.3 NOREF#59.3 NOREF#62.10 NOREF#73.10 NOREF#74.3 NOREF#76.3 NOREF#79.3 NOREF#81.3 NOREF#82.10
N-0000023: NOREF#5.12 NOREF#6.5 NOREF#8.5 NOREF#56.5 NOREF#59.5 NOREF#62.12 NOREF#73.12 NOREF#74.5 NOREF#76.5 NOREF#79.5 NOREF#81.5 NOREF#82.12
N-0000029: NOREF.1 NOREF#2.1 NOREF#3.1 NOREF#4.1 NOREF#10.1 NOREF#11.1 NOREF#12.1 NOREF#13.1 NOREF#14.1 NOREF#15.1 NOREF#16.1 NOREF#17.1 NOREF#18.1 NOREF#19.1 NOREF#20.1 NOREF#21.1 NOREF#22.1 NOREF#23.1 NOREF#24.1 NOREF#25.1 NOREF#26.1 NOREF#27.1 NOREF#28.1 NOREF#29.1 NOREF#30.1 NOREF#31.1 NOREF#32.1 NOREF#33.1 NOREF#34.1 NOREF#35.1 NOREF#36.1 NOREF#37.1 NOREF#38.1 NOREF#39.1 NOREF#40.1 NOREF#41.1 NOREF#42.1 NOREF#43.1 NOREF#44.1 NOREF#45.1 NOREF#46.1 NOREF#47.1 NOREF#48.1 NOREF#49.1 NOREF#50.1 NOREF#51.1 NOREF#52.1 NOREF#53.1 NOREF#54.1 NOREF#58.1 NOREF#60.1 NOREF#61.1 NOREF#63.1 NOREF#64.1 NOREF#65.1 NOREF#66.1 NOREF#67.1 NOREF#68.1 NOREF#69.1 NOREF#70.1 NOREF#71.1 NOREF#72.1 NOREF#83.1 NOREF#84.1 NOREF#85.1 NOREF#86.1 NOREF#87.1 NOREF#88.1
N-0000030: NOREF.2 NOREF#2.2 NOREF#3.2 NOREF#4.2 NOREF#10.2 NOREF#11.2 NOREF#12.2 NOREF#13.2 NOREF#14.2 NOREF#15.2 NOREF#16.2 NOREF#17.2 NOREF#18.2 NOREF#19.2 NOREF#20.2 NOREF#21.2 NOREF#22.2 NOREF#23.2 NOREF#24.2 NOREF#25.2 NOREF#26.2 NOREF#27.2 NOREF#28.2 NOREF#29.2 NOREF#30.2 NOREF#31.2 NOREF#32.2 NOREF#33.2 NOREF#34.2 NOREF#35.2 NOREF#36.2 NOREF#37.2 NOREF#38.2 NOREF#39.2 NOREF#40.2 NOREF#41.2 NOREF#42.2 NOREF#43.2 NOREF#44.2 NOREF#45.2 NOREF#46.2 NOREF#47.2 NOREF#48.2 NOREF#49.2 NOREF#50.2 NOREF#51.2 NOREF#52.2 NOREF#53.2 NOREF#54.2 NOREF#58.2 NOREF#60.2 NOREF#61.2 NOREF#63.2 NOREF#64.2 NOREF#65.2 NOREF#66.2 NOREF#67.2 NOREF#68.2 NOREF#69.2 NOREF#70.2 NOREF#71.2 NOREF#72.2 NOREF#83.2 NOREF#84.2 NOREF#85.2 NOREF#86.2 NOREF#87.2 NOREF#88.2
N-0000032: NOREF.3 NOREF#2.3 NOREF#3.3 NOREF#4.3 NOREF#10.3 NOREF#11.3 NOREF#12.3 NOREF#13.3 NOREF#14.3 NOREF#15.3 NOREF#16.3 NOREF#17.3 NOREF#18.3 NOREF#19.3 NOREF#20.3 NOREF#21.3 NOREF#22.3 NOREF#23.3 NOREF#24.3 NOREF#25.3 NOREF#26.3 NOREF#27.3 NOREF#28.3 NOREF#29.3 NOREF#30.3 NOREF#31.3 NOREF#32.3 NOREF#33.3 NOREF#34.3 NOREF#35.3 NOREF#36.3 NOREF#37.3 NOREF#38.3 NOREF#39.3 NOREF#40.3 NOREF#41.3 NOREF#42.3 NOREF#43.3 NOREF#44.3 NOREF#45.3 NOREF#46.3 NOREF#47.3 NOREF#48.3 NOREF#49.3 NOREF#50.3 NOREF#51.3 NOREF#52.3 NOREF#53.3 NOREF#54.3 NOREF#58.3 NOREF#60.3 NOREF#61.3 NOREF#63.3 NOREF#64.3 NOREF#65.3 NOREF#66.3 NOREF#67.3 NOREF#68.3 NOREF#69.3 NOREF#70.3 NOREF#71.3 NOREF#72.3 NOREF#83.3 NOREF#84.3 NOREF#85.3 NOREF#86.3 NOREF#87.3 NOREF#88.3
N-0000055: NOREF#5.4 NOREF#7.4 NOREF#9.4 NOREF#55.4 NOREF#57.4 NOREF#62.4 NOREF#73.4 NOREF#75.4 NOREF#77.4 NOREF#78.4 NOREF#80.4 NOREF#82.4
N-0000056: NOREF#5.2 NOREF#7.2 NOREF#9.2 NOREF#55.2 NOREF#57.2 NOREF#62.2 NOREF#73.2 NOREF#75.2 NOREF#77.2 NOREF#78.2 NOREF#80.2 NOREF#82.2
N-0000057: NOREF#5.9 NOREF#6.2 NOREF#8.2 NOREF#56.2 NOREF#59.2 NOREF#62.9 NOREF#73.9 NOREF#74.2 NOREF#76.2 NOREF#79.2 NOREF#81.2 NOREF#82.9
N-0000058: NOREF#5.1 NOREF#7.1 NOREF#9.1 NOREF#55.1 NOREF#57.1 NOREF#62.1 NOREF#73.1 NOREF#75.1 NOREF#77.1 NOREF#78.1 NOREF#80.1 NOREF#82.1
N-0000059: NOREF#5.3 NOREF#7.3 NOREF#9.3 NOREF#55.3 NOREF#57.3 NOREF#62.3 NOREF#73.3 NOREF#75.3 NOREF#77.3 NOREF#78.3 NOREF#80.3 NOREF#82.3
N-0000060: NOREF#5.6 NOREF#7.6 NOREF#9.6 NOREF#55.6 NOREF#57.6 NOREF#62.6 NOREF#73.6 NOREF#75.6 NOREF#77.6 NOREF#78.6 NOREF#80.6 NOREF#82.6
N-0000061: NOREF#5.8 NOREF#6.1 NOREF#8.1 NOREF#56.1 NOREF#59.1 NOREF#62.8 NOREF#73.8 NOREF#74.1 NOREF#76.1 NOREF#79.1 NOREF#81.1 NOREF#82.8
N-0000062: NOREF#5.11 NOREF#6.4 NOREF#8.4 NOREF#56.4 NOREF#59.4 NOREF#62.11 NOREF#73.11 NOREF#74.4 NOREF#76.4 NOREF#79.4 NOREF#81.4 NOREF#82.11
N-0000063: NOREF#5.13 NOREF#6.6 NOREF#8.6 NOREF#56.6 NOREF#59.6 NOREF#62.13 NOREF#73.13 NOREF#74.6 NOREF#76.6 NOREF#79.6 NOREF#81.6 NOREF#82.13
N-0000064: NOREF#5.5 NOREF#7.5 NOREF#9.5 NOREF#55.5 NOREF#57.5 NOREF#62.5 NOREF#73.5 NOREF#75.5 NOREF#77.5 NOREF#78.5 NOREF#80.5 NOREF#82.5
Net-(J1-Pad1): J1.1 J1#2.1 J1#3.1 J1#4.1 J1#5.1 J1#6.1 J1#7.1 J1#8.1 U11.9 U11#2.9 U11#3.9 U11#4.9
Net-(J1-Pad2): J1.2 J1#2.2 J1#3.2 J1#4.2 J1#5.2 J1#6.2 J1#7.2 J1#8.2 U11.10 U11#2.10 U11#3.10 U11#4.10
Net-(J1-Pad3): J1.3 J1#2.3 J1#3.3 J1#4.3 J1#5.3 J1#6.3 J1#7.3 J1#8.3 U11.11 U11#2.11 U11#3.11 U11#4.11
Net-(J1-Pad4): J1.4 J1#2.4 J1#3.4 J1#4.4 J1#5.4 J1#6.4 J1#7.4 J1#8.4 U11.12 U11#2.12 U11#3.12 U11#4.12
Net-(J1-Pad5): J1.5 J1#2.5 J1#3.5 J1#4.5 J1#5.5 J1#6.5 J1#7.5 J1#8.5 U11.13 U11#2.13 U11#3.13 U11#4.13
Net-(J1-Pad6): J1.6 J1#2.6 J1#3.6 J1#4.6 J1#5.6 J1#6.6 J1#7.6 J1#8.6 U11.14 U11#2.14 U11#3.14 U11#4.14
Net-(J1-Pad7): J1.7 J1#2.7 J1#3.7 J1#4.7 J1#5.7 J1#6.7 J1#7.7 J1#8.7 U11.15 U11#2.15 U11#3.15 U11#4.15
Net-(J2-Pad1): J2.1 J2#2.1 J2#3.1 J2#4.1 J2#5.1 J2#6.1 J2#7.1 J2#8.1 U11.1 U11#2.1 U11#3.1 U11#4.1
Net-(J2-Pad2): J2.2 J2#2.2 J2#3.2 J2#4.2 J2#5.2 J2#6.2 J2#7.2 J2#8.2 U11.2 U11#2.2 U11#3.2 U11#4.2
Net-(J2-Pad3): J2.3 J2#2.3 J2#3.3 J2#4.3 J2#5.3 J2#6.3 J2#7.3 J2#8.3 U11.3 U11#2.3 U11#3.3 U11#4.3
Net-(J2-Pad4): J2.4 J2#2.4 J2#3.4 J2#4.4 J2#5.4 J2#6.4 J2#7.4 J2#8.4 U11.4 U11#2.4 U11#3.4 U11#4.4
Net-(J2-Pad5): J2.5 J2#2.5 J2#3.5 J2#4.5 J2#5.5 J2#6.5 J2#7.5 J2#8.5 U11.5 U11#2.5 U11#3.5 U11#4.5
Net-(J2-Pad6): J2.6 J2#2.6 J2#3.6 J2#4.6 J2#5.6 J2#6.6 J2#7.6 J2#8.6 U11.6 U11#2.6 U11#3.6 U11#4.6
Net-(J2-Pad7): J2.7 J2#2.7 J2#3.7 J2#4.7 J2#5.7 J2#6.7 J2#7.7 J2#8.7 U11.7 U11#2.7 U11#3.7 U11#4.7
